# Altium PCB controller_V1.0.PcbDoc (part 5 of 8)
Units mm, origin at the board's own origin, x right, y up, seen from the top; angles counter-clockwise.
Board outline 284.13 x 175.13 mm, 4 copper layers (Top Layer, GND, VCC, Bottom Layer); 496 components, 415 nets, 1682 pads, 750 vias.
Unrouted connection lines stored in the file: 5.
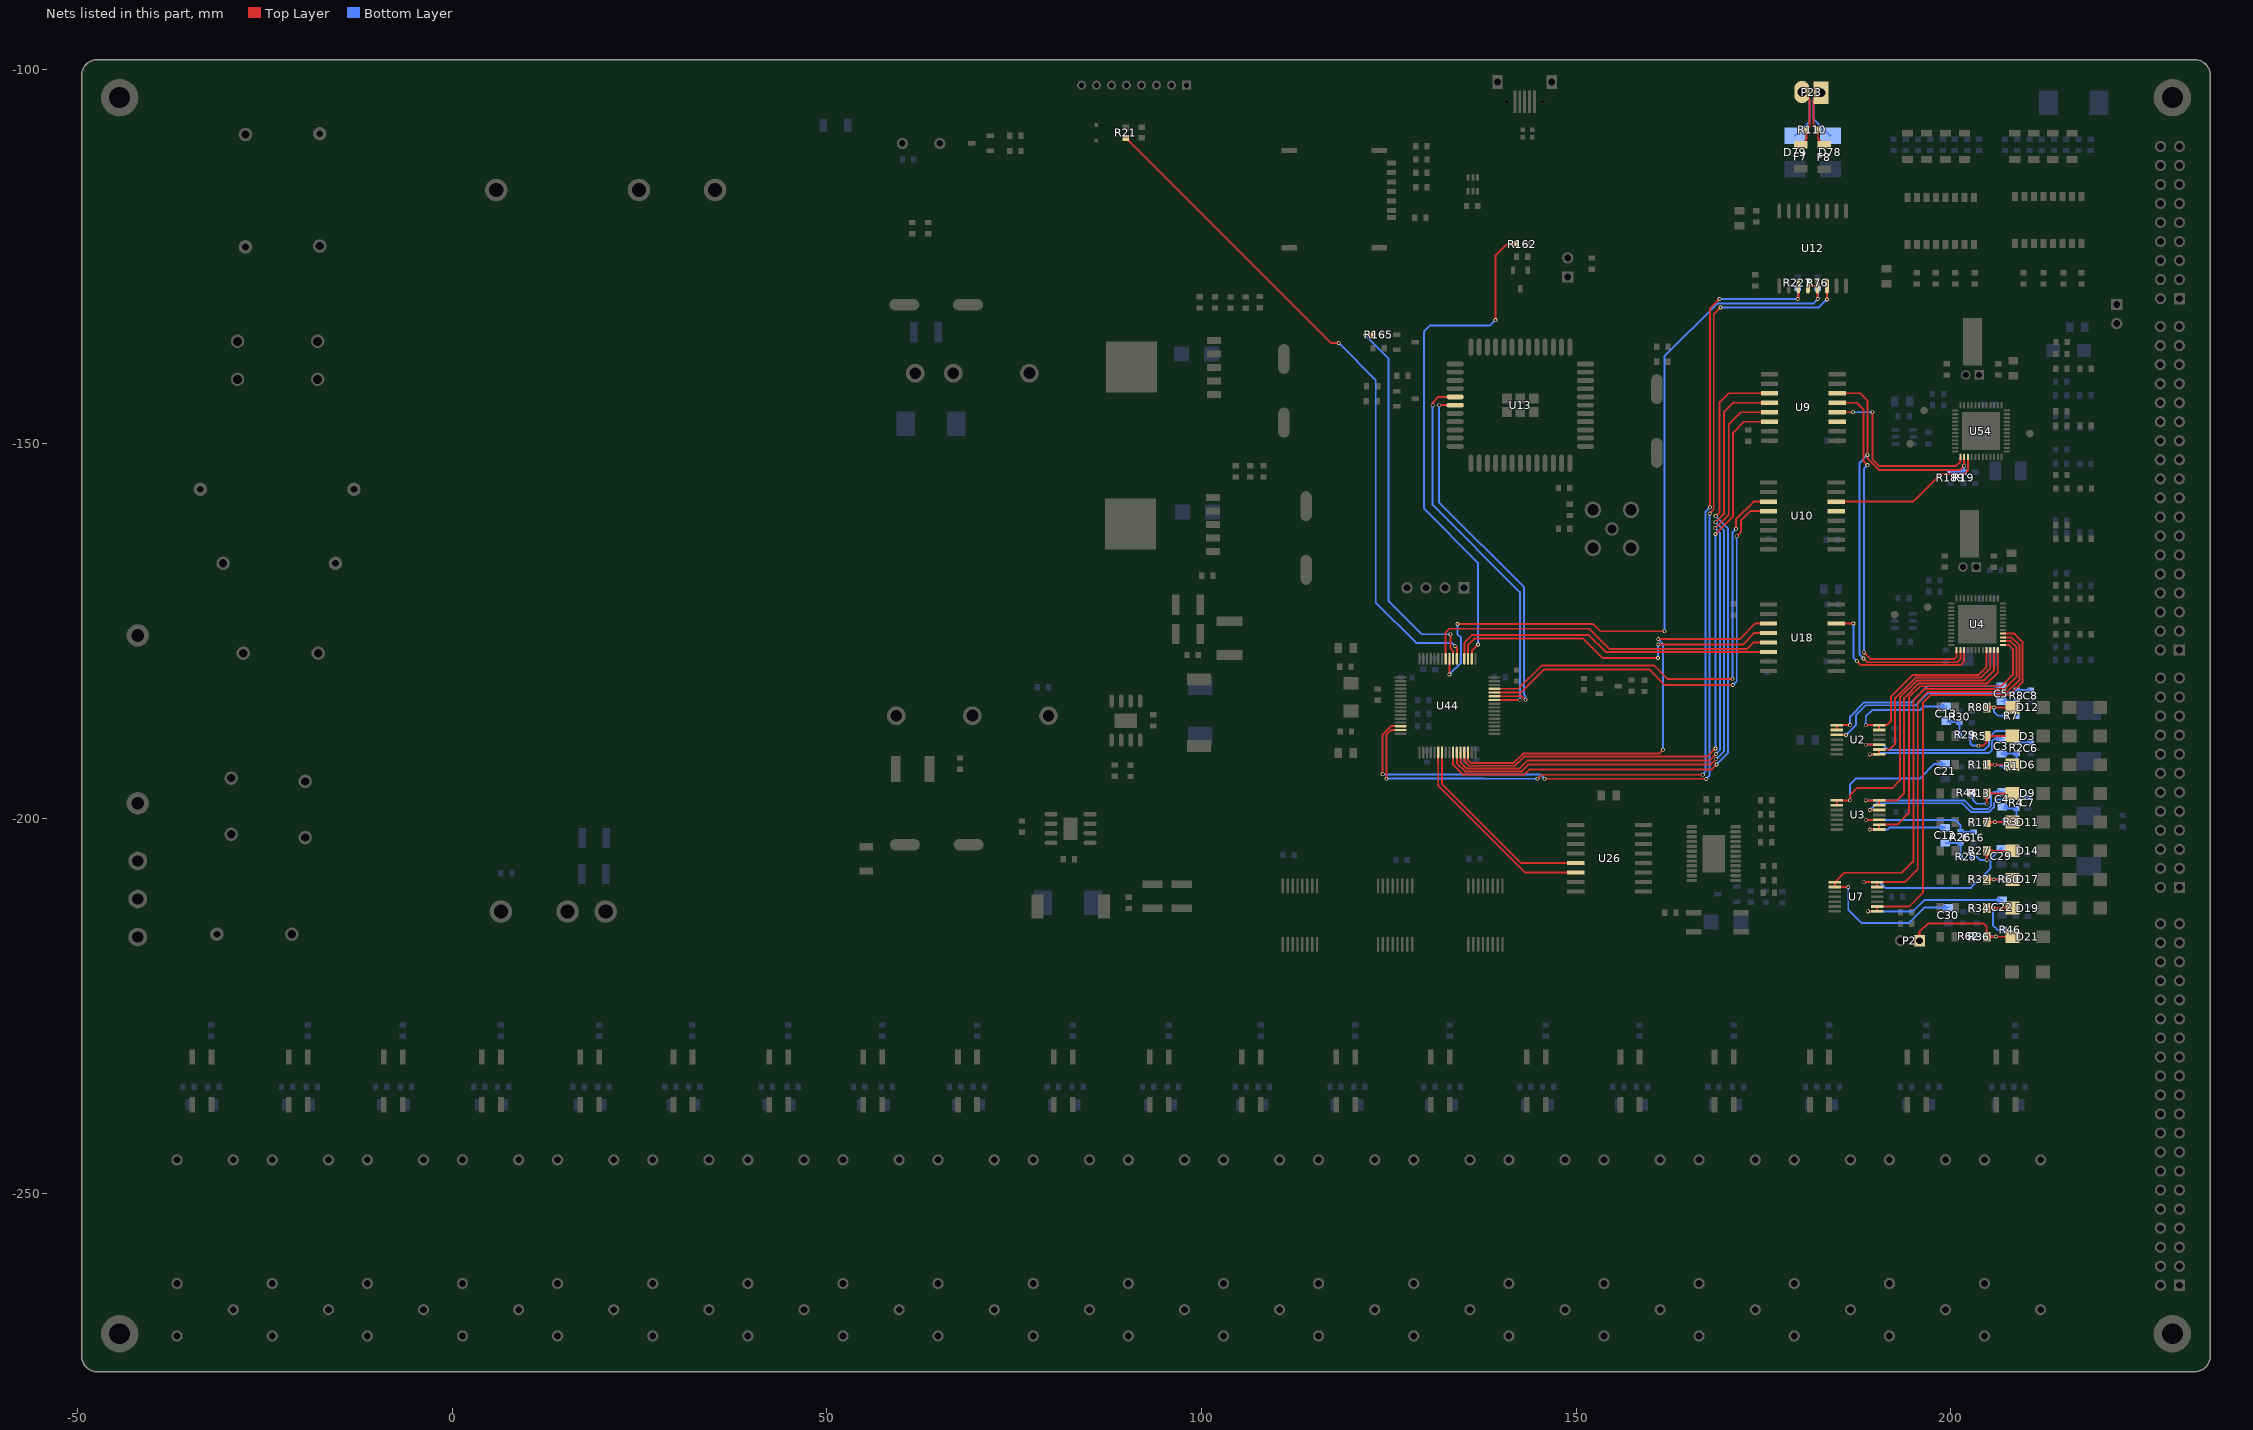
[diagram p7: the nets of this part, all layers, seen from the top]

## Via types
v1: diameter 0.508, hole 0.305, Top Layer to Bottom Layer, tented both sides, 596 vias
v2: diameter 1.016, hole 0.635, Top Layer to Bottom Layer, tented both sides, 65 vias
v3: diameter 0.6, hole 0.3, Top Layer to Bottom Layer, 50 vias
v4: diameter 0.762, hole 0.508, Top Layer to Bottom Layer, tented both sides, 29 vias
v5: diameter 2.032, hole 1.524, Top Layer to Bottom Layer, tented both sides, 4 vias
v6: diameter 3.048, hole 2.032, Top Layer to Bottom Layer, tented both sides, 3 vias
v7: diameter 1.5, hole 1, Top Layer to Bottom Layer, 2 vias
v8: diameter 2.54, hole 1.778, Top Layer to Bottom Layer, tented both sides, 1 vias

## Nets (pads, with @x,y where several pads share a name; then routed paths per layer and width w, separated by ;. In a path a pad name is that pad's centre, name@x,y a point inside that pad or via, vN(x,y) a via of type N, cw(c..) or ccw(c..) an arc to the next point about the centre after c; other vN are vias at no path point) (continued)
LCD_TX: R21.1 U44.54 | length 94.1
  Top Layer w0.254: R21.1@89.913,-109.156 117.282,-136.525 v1(118.313,-136.525) ; R21.1@89.977,-109.41 cw(c89.977,-109.87) 90.302,-109.545 ; R21.1@90.231,-109.156 ccw(c90.997,-109.156) 90.455,-109.699 ; v1@118.223,-136.615 ccw(c118.007,-136.832) 118.007,-136.525 ccw(c118.007,-136.218) v1@118.223,-136.435 ; v1@133.807,-177.089 cw(c133.807,-177.395) 134.024,-177.179 cw(c134.241,-176.962) v1@133.934,-176.962 ; v1(133.807,-176.962) 134.091,-177.246 U44.54@134.091,-178.678
  Bottom Layer w0.254: v1@118.313,-136.652 cw(c118.313,-136.959) 118.53,-136.742 cw(c118.747,-136.525) v1@118.44,-136.525 ; v1(118.313,-136.525) 123.266,-141.478 123.266,-171.171 128.651,-176.555 133.401,-176.555 v1(133.807,-176.962) ; v1@133.68,-176.962 ccw(c133.374,-176.962) 133.59,-176.745 ccw(c133.807,-176.528) v1@133.807,-176.835
LTE_MRX: U13.17 U44.42 | length 53.7
  Top Layer w0.254: v1@130.771,-144.741 ccw(c130.554,-144.524) 130.861,-144.524 ccw(c131.167,-144.524) v1@130.951,-144.741 ; v1(130.861,-144.831) 130.861,-144.475 131.605,-143.731 U13.17@133.868,-143.731 ; U13.17@132.903,-143.871 ccw(c132.565,-144.209) 132.565,-143.731 ccw(c132.565,-143.253) U13.17@132.903,-143.591 ; U44.42@139.091,-184.178 142.466,-184.178 v1(142.494,-184.15) ; 142.119,-184.178 ccw(c142.119,-183.775) v1@142.404,-184.06
  Bottom Layer w0.254: v1@130.771,-144.921 cw(c130.554,-145.137) 130.861,-145.137 cw(c131.167,-145.137) v1@130.951,-144.921 ; v1(130.861,-144.831) 130.861,-158.14 142.494,-169.774 v1(142.494,-184.15) ; v1@142.404,-184.06 ccw(c142.187,-183.843) 142.494,-183.843 ccw(c142.801,-183.843) v1@142.584,-184.06
LTE_MTX: U13.18 U44.43 | length 53.2
  Top Layer w0.254: v1(131.724,-144.831) U13.18@133.868,-144.831 ; v1@131.814,-144.921 cw(c132.031,-145.137) 132.031,-144.831 cw(c132.031,-144.524) v1@131.814,-144.741 ; U13.18@132.903,-144.971 ccw(c132.565,-145.309) 132.565,-144.831 ccw(c132.565,-144.353) U13.18@132.903,-144.691 ; U44.43@139.127,-183.642 U44.43@139.091,-183.678 142.247,-183.678 142.284,-183.642 142.704,-183.642 143.212,-184.15 v1(143.256,-184.15) ; 142.965,-183.902 ccw(c143.256,-183.611) v1@143.256,-184.023
  Bottom Layer w0.254: v1@131.635,-144.921 cw(c131.418,-145.137) 131.724,-145.137 cw(c132.031,-145.137) v1@131.814,-144.921 ; v1(131.724,-144.831) 131.724,-157.836 143.053,-169.164 143.053,-183.464 143.256,-183.667 v1(143.256,-184.15) ; v1@143.166,-184.06 ccw(c142.949,-183.843) 143.256,-183.843 ccw(c143.563,-183.843) v1@143.346,-184.06
LTE_PWR_CTRL: R162.1 U44.50 | length 72
  Top Layer w0.254: U44.50@136.091,-178.678 136.091,-177.599 v1(136.906,-176.784) ; v1@136.779,-176.784 cw(c136.472,-176.784) 136.689,-177.001 cw(c136.906,-177.218) v1@136.906,-176.911 ; v1@139.153,-133.387 ccw(c138.936,-133.17) 139.243,-133.17 ccw(c139.549,-133.17) v1@139.333,-133.387 ; v1(139.243,-133.477) 139.243,-124.866 140.741,-123.368 R162.1@142.06,-123.368 ; R162.1@141.902,-123.525 ccw(c141.521,-123.906) 141.521,-123.368 ccw(c141.521,-122.829) R162.1@141.902,-123.21
  Bottom Layer w0.254: v1@136.816,-176.694 ccw(c136.599,-176.477) 136.906,-176.477 ccw(c137.213,-176.477) v1@136.996,-176.694 ; v1(136.906,-176.784) 136.906,-165.837 129.718,-158.648 129.718,-134.976 130.48,-134.214 138.506,-134.214 v1(139.243,-133.477) ; v1@139.116,-133.477 cw(c138.809,-133.477) 139.026,-133.694 cw(c139.243,-133.911) v1@139.243,-133.604
LTE_RST: R165.1 U44.55 | length 54.2
  Top Layer w0.254: v1(121.818,-135.433) R165.1@122.883,-135.433 ; v1@121.908,-135.523 cw(c122.125,-135.739) 122.125,-135.433 cw(c122.125,-135.126) v1@121.908,-135.343 ; R165.1@122.725,-135.59 ccw(c122.344,-135.971) 122.344,-135.433 ccw(c122.344,-134.894) R165.1@122.725,-135.275 ; v1@133.159,-175.502 cw(c132.942,-175.719) 133.248,-175.719 cw(c133.555,-175.719) v1@133.338,-175.502 ; v1(133.248,-175.412) 133.248,-177.343 133.591,-177.685 U44.55@133.591,-178.678
  Bottom Layer w0.254: v1@121.818,-135.56 cw(c121.818,-135.866) 122.035,-135.65 cw(c122.252,-135.433) v1@121.945,-135.433 ; v1(121.818,-135.433) 124.959,-138.573 124.959,-170.942 129.429,-175.412 v1(133.248,-175.412) ; v1@133.159,-175.502 ccw(c132.942,-175.719) 132.942,-175.412 ccw(c132.942,-175.106) v1@133.159,-175.323
MAIN0: C5.2 U2.8 U2.9 | length 27.8
  Top Layer w0.254: U2.9@184.808,-188.192 U2.8@184.808,-187.542 186.585,-187.542 v1(186.588,-187.539) ; 186.273,-187.542 ccw(c186.273,-187.223) v1@186.499,-187.449 ; 186.291,-187.542 cw(c186.291,-187.836) v1@186.499,-187.628
  Bottom Layer w0.254: v1@186.499,-187.449 ccw(c186.282,-187.232) 186.588,-187.232 ccw(c186.895,-187.232) v1@186.678,-187.449 ; v1(186.588,-187.539) 186.588,-186.411 188.493,-184.506 194.716,-184.506 196.869,-182.353 C5.2@206.781,-182.353 ; C5.2@206.368,-182.617 ccw(c205.731,-183.254) 205.731,-182.353 ccw(c205.731,-181.453) C5.2@206.368,-182.089
MAIN1: C13.2 U2.6 U2.7 U4.33 | length 39
  Top Layer w0.254: v1(188.666,-187.546) 188.67,-187.542 U2.7@190.447,-187.542 ; v1@188.756,-187.636 cw(c188.982,-187.862) 188.982,-187.542 ; v1@188.756,-187.456 ccw(c188.963,-187.249) 188.963,-187.542 ; U2.6@190.447,-188.192 U2.7@190.447,-187.542 ; U4.33@204.795,-177.516 204.795,-179.761 203.733,-180.823 194.97,-180.823 192.024,-183.769 192.024,-186.995 191.476,-187.542 U2.7@190.447,-187.542
  Bottom Layer w0.254: v1@188.576,-187.456 ccw(c188.359,-187.24) 188.666,-187.24 ccw(c188.973,-187.24) v1@188.756,-187.456 ; v1(188.666,-187.546) 188.666,-186.365 189.509,-185.522 195.859,-185.522 196.352,-185.029 C13.2@199.413,-185.029 ; C13.2@198.999,-185.292 ccw(c198.362,-185.929) 198.362,-185.029 ccw(c198.362,-184.128) C13.2@198.999,-184.765
MAIN2: C3.2 U2.1 U2.2 U4.34 | length 48.4
  Top Layer w0.254: v1(189.207,-191.442) U2.1@190.447,-191.442 U2.2@190.447,-190.792 191.808,-190.792 192.583,-190.017 192.583,-183.941 195.321,-181.204 204.025,-181.204 205.295,-179.934 U4.34@205.295,-177.516 ; v1@189.297,-191.532 cw(c189.514,-191.749) 189.514,-191.442 cw(c189.514,-191.136) v1@189.297,-191.353
  Bottom Layer w0.254: v1(189.207,-191.442) 190.447,-191.442 190.652,-191.237 205.161,-191.237 205.511,-190.886 205.511,-189.713 205.877,-189.347 ; v1@189.297,-191.532 cw(c189.514,-191.749) 189.514,-191.442 cw(c189.514,-191.136) v1@189.297,-191.353 ; C3.2@206.335,-189.573 ccw(c205.877,-189.922) 205.877,-189.347 ; C3.2@206.335,-189.12 cw(c205.877,-188.771) 205.877,-189.347 ; C3.2@206.781,-189.347 205.877,-189.347
MAIN3: C21.2 U3.8 U3.9 U4.35 | length 57.3
  Top Layer w0.254: U3.9@184.808,-198.225 U3.8@184.808,-197.575 v1@186.585,-197.575 ; 186.273,-197.575 ccw(c186.273,-197.256) 186.499,-197.482 ccw(c186.291,-197.274) 186.585,-197.274 ; 186.291,-197.575 cw(c186.291,-197.869) v1@186.499,-197.661 ; 186.585,-197.256 ccw(c186.904,-197.256) v1@186.678,-197.482 ; v1(186.588,-197.572) v1@186.585,-197.575 ; U4.35@205.795,-177.516 205.795,-180.188 204.398,-181.585 195.478,-181.585 193.218,-183.845 193.218,-194.92 192.202,-195.936 187.474,-195.936 186.585,-196.825 v1@186.585,-197.575
  Bottom Layer w0.254: v1@186.499,-197.482 ccw(c186.282,-197.265) 186.588,-197.265 ccw(c186.895,-197.265) v1@186.678,-197.482 ; v1(186.588,-197.572) 186.588,-195.428 187.35,-194.666 195.859,-194.666 197.805,-192.72 C21.2@199.288,-192.72 ; C21.2@198.875,-192.983 ccw(c198.238,-193.62) 198.238,-192.72 ccw(c198.238,-191.819) C21.2@198.875,-192.456
MAIN4: C4.2 U3.6 U3.7 U4.36 | length 58.8
  Top Layer w0.254: v1(188.666,-197.579) 188.67,-197.575 U3.7@190.447,-197.575 ; v1@188.756,-197.669 cw(c188.982,-197.895) 188.982,-197.575 ; v1@188.756,-197.489 ccw(c188.963,-197.282) 188.963,-197.575 ; U3.6@190.447,-198.225 U3.7@190.447,-197.575 ; U4.36@206.295,-177.516 206.295,-180.569 204.898,-181.966 195.767,-181.966 193.802,-183.931 193.802,-196.647 192.873,-197.575 U3.7@190.447,-197.575
  Bottom Layer w0.254: v1(188.666,-197.579) 201.821,-197.579 202.971,-198.73 205.003,-198.73 205.384,-198.349 205.384,-196.825 205.759,-196.45 C4.2@206.906,-196.45 ; v1@188.756,-197.669 cw(c188.973,-197.886) 188.973,-197.579 cw(c188.973,-197.273) v1@188.756,-197.489 ; C4.2@206.492,-196.714 ccw(c205.855,-197.351) 205.855,-196.45 ccw(c205.855,-195.55) C4.2@206.492,-196.186
MAIN5: C12.2 U3.1 U3.2 U4.37 | length 54.6
  Top Layer w0.254: v1(189.207,-201.475) U3.1@190.447,-201.475 U3.2@190.447,-200.825 192.113,-200.825 192.849,-200.825 194.437,-199.238 194.437,-183.834 195.925,-182.347 206.781,-182.347 208.305,-180.823 208.305,-177.394 207.728,-176.816 U4.37@206.995,-176.816 ; v1@189.297,-201.565 cw(c189.514,-201.782) 189.514,-201.475 cw(c189.514,-201.169) v1@189.297,-201.386
  Bottom Layer w0.254: v1(189.207,-201.475) 191.59,-201.475 191.836,-201.229 C12.2@199.288,-201.229 ; v1@189.297,-201.565 cw(c189.514,-201.782) 189.514,-201.475 cw(c189.514,-201.169) v1@189.297,-201.386 ; C12.2@198.875,-201.492 ccw(c198.238,-202.129) 198.238,-201.229 ccw(c198.238,-200.328) C12.2@198.875,-200.965
MAIN6: C29.2 U4.39 U7.6 U7.7 | length 75.5
  Top Layer w0.254: v1(188.412,-208.501) 188.416,-208.497 U7.7@190.193,-208.497 ; v1@188.502,-208.591 cw(c188.728,-208.817) 188.728,-208.497 ; v1@188.502,-208.411 ccw(c188.709,-208.204) 188.709,-208.497 ; U7.6@190.193,-209.147 U7.7@190.193,-208.497 ; U4.39@206.995,-175.816 208.125,-175.816 209.194,-176.886 209.194,-181.458 207.543,-183.109 196.952,-183.109 195.605,-184.455 195.605,-206.756 193.864,-208.497 193.331,-208.497 U7.7@190.193,-208.497
  Bottom Layer w0.254: v1(188.412,-208.501) 190.518,-208.501 191.287,-209.271 202.717,-209.271 205.324,-206.664 205.324,-205.363 206.665,-204.023 C29.2@206.779,-204.023 ; v1@188.502,-208.591 cw(c188.719,-208.808) 188.719,-208.501 cw(c188.719,-208.195) v1@188.502,-208.411
MAIN7: C22.2 U4.40 U7.1 U7.2 | length 77.9
  Top Layer w0.254: v1(188.953,-212.397) U7.1@190.193,-212.397 U7.2@190.193,-211.747 192.494,-211.747 194.449,-211.747 196.291,-209.906 196.291,-184.556 197.358,-183.49 207.924,-183.49 209.575,-181.839 209.575,-176.378 208.514,-175.316 U4.40@206.995,-175.316 ; v1@189.043,-212.487 cw(c189.26,-212.704) 189.26,-212.397 cw(c189.26,-212.091) v1@189.043,-212.308
  Bottom Layer w0.254: v1(188.953,-212.397) 194.978,-212.397 196.494,-210.881 C22.2@206.906,-210.881 ; v1@189.043,-212.487 cw(c189.26,-212.704) 189.26,-212.397 cw(c189.26,-212.091) v1@189.043,-212.308 ; C22.2@206.492,-211.144 ccw(c205.855,-211.781) 205.855,-210.881 ccw(c205.855,-209.98) C22.2@206.492,-210.617
MAIN8: C30.2 U4.38 U7.8 U7.9 | length 77.1
  Top Layer w0.254: 186.019,-209.147 ccw(c186.019,-208.828) v1@186.245,-209.054 ; 186.037,-209.147 cw(c186.037,-209.441) v1@186.245,-209.233 ; v1(186.334,-209.144) 186.331,-209.147 U7.9@184.554,-209.147 U7.8@184.554,-208.497 185.813,-207.239 193.497,-207.239 195.021,-205.715 195.021,-184.201 196.494,-182.728 207.162,-182.728 208.813,-181.077 208.813,-177.14 207.99,-176.316 U4.38@206.995,-176.316
  Bottom Layer w0.254: v1@186.245,-209.233 cw(c186.028,-209.45) 186.334,-209.45 cw(c186.641,-209.45) v1@186.424,-209.233 ; v1(186.334,-209.144) 186.334,-212.192 188.112,-213.97 194.396,-213.97 196.469,-211.897 C30.2@199.669,-211.897 ; C30.2@199.256,-212.16 ccw(c198.619,-212.797) 198.619,-211.897 ccw(c198.619,-210.996) C30.2@199.256,-211.633
MB_RX1: R227.1 U12.3 U44.15 | length 135.7
  Top Layer w0.254: v1@124.599,-194.601 ccw(c124.382,-194.384) 124.689,-194.384 ccw(c124.995,-194.384) v1@124.778,-194.601 ; v1(124.689,-194.691) 124.689,-188.824 125.334,-188.178 U44.15@126.591,-188.178 ; v1(144.856,-194.691) 145.39,-194.158 v1(166.929,-194.158) ; v1@144.856,-194.564 ccw(c144.856,-194.257) 145.073,-194.474 ccw(c145.29,-194.691) v1@144.983,-194.691 ; v1@166.839,-194.247 ccw(c166.622,-194.464) 166.622,-194.158 ccw(c166.622,-193.851) v1@166.839,-194.068 ; v1@167.779,-158.355 ccw(c167.562,-158.139) 167.869,-158.139 ccw(c168.175,-158.139) v1@167.958,-158.355 ; v1(167.869,-158.445) 167.869,-131.953 v1@169.113,-130.708 ; v1@169.037,-130.658 cw(c168.73,-130.658) 168.947,-130.874 cw(c169.164,-131.091) v1@169.164,-130.785 ; v1@179.514,-130.568 ccw(c179.119,-130.173) 179.677,-130.173 ; U12.3@179.59,-129.742 cw(c179.38,-129.952) 179.677,-129.952 cw(c179.974,-129.952) U12.3@179.764,-129.742 ; v1@179.677,-130.584 U12.3@179.677,-128.905
  Bottom Layer w0.254: v1@124.714,-194.666 137.726,-194.666 ; v1@124.778,-194.781 cw(c125.057,-195.059) 125.057,-194.666 ; 137.751,-194.691 v1(144.856,-194.691) ; v1@144.766,-194.781 ccw(c144.55,-194.998) 144.55,-194.691 ccw(c144.55,-194.384) v1@144.766,-194.601 ; v1(166.929,-194.158) 166.929,-194.056 167.284,-193.7 167.284,-159.029 v1(167.869,-158.445) ; v1@167.056,-194.158 cw(c167.608,-194.158) 167.217,-193.767 ; v1@167.742,-158.445 cw(c167.435,-158.445) 167.652,-158.662 cw(c167.869,-158.879) v1@167.869,-158.572 ; v1@169.113,-130.708 v1(169.164,-130.658) v1(179.603,-130.658) R227.1@179.603,-129.261 ; v1@169.254,-130.747 cw(c169.471,-130.964) 169.471,-130.658 cw(c169.471,-130.351) v1@169.254,-130.568 ; R227.1@179.446,-129.418 cw(c179.065,-129.799) 179.603,-129.799 cw(c180.142,-129.799) R227.1@179.761,-129.418 ; v1@179.514,-130.747 ccw(c179.297,-130.964) 179.297,-130.658 ccw(c179.297,-130.351) 179.514,-130.568 ccw(c179.297,-130.351) 179.603,-130.351 ccw(c179.91,-130.351) v1@179.693,-130.568
MB_RX1_N: D79.2 F7.2 P23.2 R110.1 | length 14.5
  Top Layer w0.254: P23.2@180.16,-103.024 181.176,-104.04 181.176,-107.671 R110.1@180.769,-108.077 180.769,-109.247 ccw(c181.109,-109.587) F7.2@180.7,-109.839
  Bottom Layer w0.254: D79.2@179.245,-108.835 181.178,-106.902 181.178,-104.043 P23.2@180.16,-103.024
MB_RX1_P: D78.2 F8.2 P23.1 R110.2 | length 16.7
  Top Layer w0.254: R110.2@182.112,-108.31 cw(c181.731,-108.69) 182.269,-108.69 cw(c182.808,-108.69) R110.2@182.427,-108.31 ; 182.403,-109.357 cw(c181.854,-109.906) F8.2@182.615,-110.061 ; P23.1@182.7,-103.124 181.684,-104.14 181.684,-107.491 R110.2@182.269,-108.077 182.269,-109.223 F8.2@183.131,-110.085
  Bottom Layer w0.254: P23.1@182.7,-103.124 181.686,-104.137 181.686,-106.577 D78.2@183.944,-108.835
MB_RXEN1: R76.1 U12.4 U12.5 U44.56 | length 109
  Top Layer w0.254: v1@133.001,-180.687 ccw(c132.784,-180.47) 133.091,-180.47 ccw(c133.398,-180.47) v1@133.181,-180.687 ; v1(133.091,-180.777) U44.56@133.091,-178.678 ; v1(134.163,-174.041) 152.298,-174.041 153.264,-175.006 v1(161.798,-175.006) ; v1@134.253,-174.131 cw(c134.469,-174.347) 134.469,-174.041 cw(c134.469,-173.734) v1@134.253,-173.951 ; v1@161.708,-175.096 ccw(c161.491,-175.313) 161.491,-175.006 ccw(c161.491,-174.699) v1@161.708,-174.916 ; U12.4@180.947,-128.905 U12.5@182.217,-128.905 182.217,-130.604 v1(182.27,-130.658) ; U12.4@181.034,-128.992 cw(c181.244,-129.202) 181.244,-128.905 cw(c181.244,-128.608) U12.4@181.034,-128.818 ; U12.5@182.13,-129.742 cw(c181.92,-129.952) 182.217,-129.952 cw(c182.514,-129.952) U12.5@182.304,-129.742 ; U12.5@182.13,-128.992 ccw(c181.92,-129.202) 181.92,-128.905 ccw(c181.92,-128.608) U12.5@182.13,-128.818 ; 182.217,-130.222 ccw(c182.706,-130.222) v1@182.36,-130.568
  Bottom Layer w0.254: v1(133.091,-180.777) 134.645,-179.222 134.645,-175.888 134.163,-175.405 v1(134.163,-174.041) ; v1@133.091,-180.65 ccw(c133.091,-180.343) 133.308,-180.56 ccw(c133.525,-180.777) v1@133.218,-180.777 ; v1@134.073,-174.131 cw(c133.856,-174.347) 134.163,-174.347 cw(c134.469,-174.347) v1@134.253,-174.131 ; v1@161.708,-174.916 ccw(c161.491,-174.699) 161.798,-174.699 ccw(c162.105,-174.699) v1@161.888,-174.916 ; v1(161.798,-175.006) 161.798,-138.328 168.859,-131.267 181.661,-131.267 v1(182.27,-130.658) R76.1@182.27,-129.261 ; R76.1@182.113,-129.418 cw(c181.732,-129.799) 182.27,-129.799 cw(c182.809,-129.799) R76.1@182.428,-129.418 ; v1@182.143,-130.658 cw(c181.837,-130.658) 182.054,-130.874 cw(c182.27,-131.091) v1@182.27,-130.785 ; v1@182.181,-130.568 ccw(c181.964,-130.351) 182.27,-130.351 ccw(c182.577,-130.351) v1@182.36,-130.568
MB_TX1: U12.6 U44.14 | length 137.8
  Top Layer w0.254: v1@124.091,-194.017 ccw(c123.874,-193.8) 124.181,-193.8 ccw(c124.487,-193.8) v1@124.27,-194.017 ; v1(124.181,-194.107) 124.181,-188.793 125.295,-187.678 U44.14@126.591,-187.678 U44.14@126.583,-187.67 ; v1(145.796,-194.691) 167.361,-194.691 v1(167.386,-194.716) ; v1@145.886,-194.781 cw(c146.103,-194.998) 146.103,-194.691 cw(c146.103,-194.384) v1@145.886,-194.601 ; 167.018,-194.691 cw(c167.018,-195.084) v1@167.296,-194.806 ; v1(167.843,-159.283) 168.377,-158.75 168.377,-132.688 v1(169.277,-131.788) ; v1@167.843,-159.156 ccw(c167.843,-158.85) 168.06,-159.067 ccw(c168.277,-159.283) v1@167.97,-159.283 ; v1@169.15,-131.788 cw(c168.843,-131.788) 169.06,-132.005 cw(c169.277,-132.221) v1@169.277,-131.915 ; v1@183.397,-130.619 ccw(c183.18,-130.402) 183.487,-130.402 ccw(c183.794,-130.402) v1@183.577,-130.619 ; U12.6@183.4,-129.742 cw(c183.19,-129.952) 183.487,-129.952 cw(c183.784,-129.952) U12.6@183.574,-129.742 ; v1(183.487,-130.708) U12.6@183.487,-128.905
  Bottom Layer w0.254: v1(124.181,-194.107) 145.212,-194.107 v1(145.796,-194.691) ; v1@124.27,-194.197 cw(c124.487,-194.413) 124.487,-194.107 cw(c124.487,-193.8) v1@124.27,-194.017 ; v1@145.669,-194.691 ccw(c145.362,-194.691) 145.579,-194.474 ccw(c145.796,-194.257) v1@145.796,-194.564 ; v1(167.386,-194.716) 167.792,-194.31 167.792,-159.334 v1(167.843,-159.283) ; v1@167.386,-194.589 ccw(c167.386,-194.283) 167.603,-194.5 ccw(c167.82,-194.716) v1@167.513,-194.716 ; 167.792,-159.713 cw(c168.272,-159.713) v1@167.933,-159.373 ; v1(169.277,-131.788) 182.408,-131.788 v1(183.487,-130.708) ; v1@169.367,-131.878 cw(c169.584,-132.094) 169.584,-131.788 cw(c169.584,-131.481) v1@169.367,-131.698 ; v1@183.36,-130.708 cw(c183.053,-130.708) 183.27,-130.925 cw(c183.487,-131.142) v1@183.487,-130.835
MC\S\1: U4.27 U18.14 | length 27.2
  Top Layer w0.254: U18.14@184.732,-173.965 v1(187.02,-173.965) ; U18.14@185.716,-174.072 cw(c185.976,-174.333) 185.976,-173.965 cw(c185.976,-173.597) U18.14@185.716,-173.857 ; v1@186.93,-174.054 ccw(c186.714,-174.271) 186.714,-173.965 ccw(c186.714,-173.658) v1@186.93,-173.875 ; v1@187.503,-179.146 cw(c187.503,-179.453) 187.72,-179.236 cw(c187.936,-179.019) v1@187.63,-179.019 ; v1(187.503,-179.019) 188.011,-179.527 190.627,-179.527 ; 190.043,-179.527 190.627,-179.527 ; 197.942,-179.527 198.272,-179.527 ; U4.27@201.795,-177.516 201.795,-179.027 201.295,-179.527 198.272,-179.527 ; 190.627,-179.527 198.272,-179.527